# KiCad board SimulTypeUltraFullMag.kicad_pcb (continued)
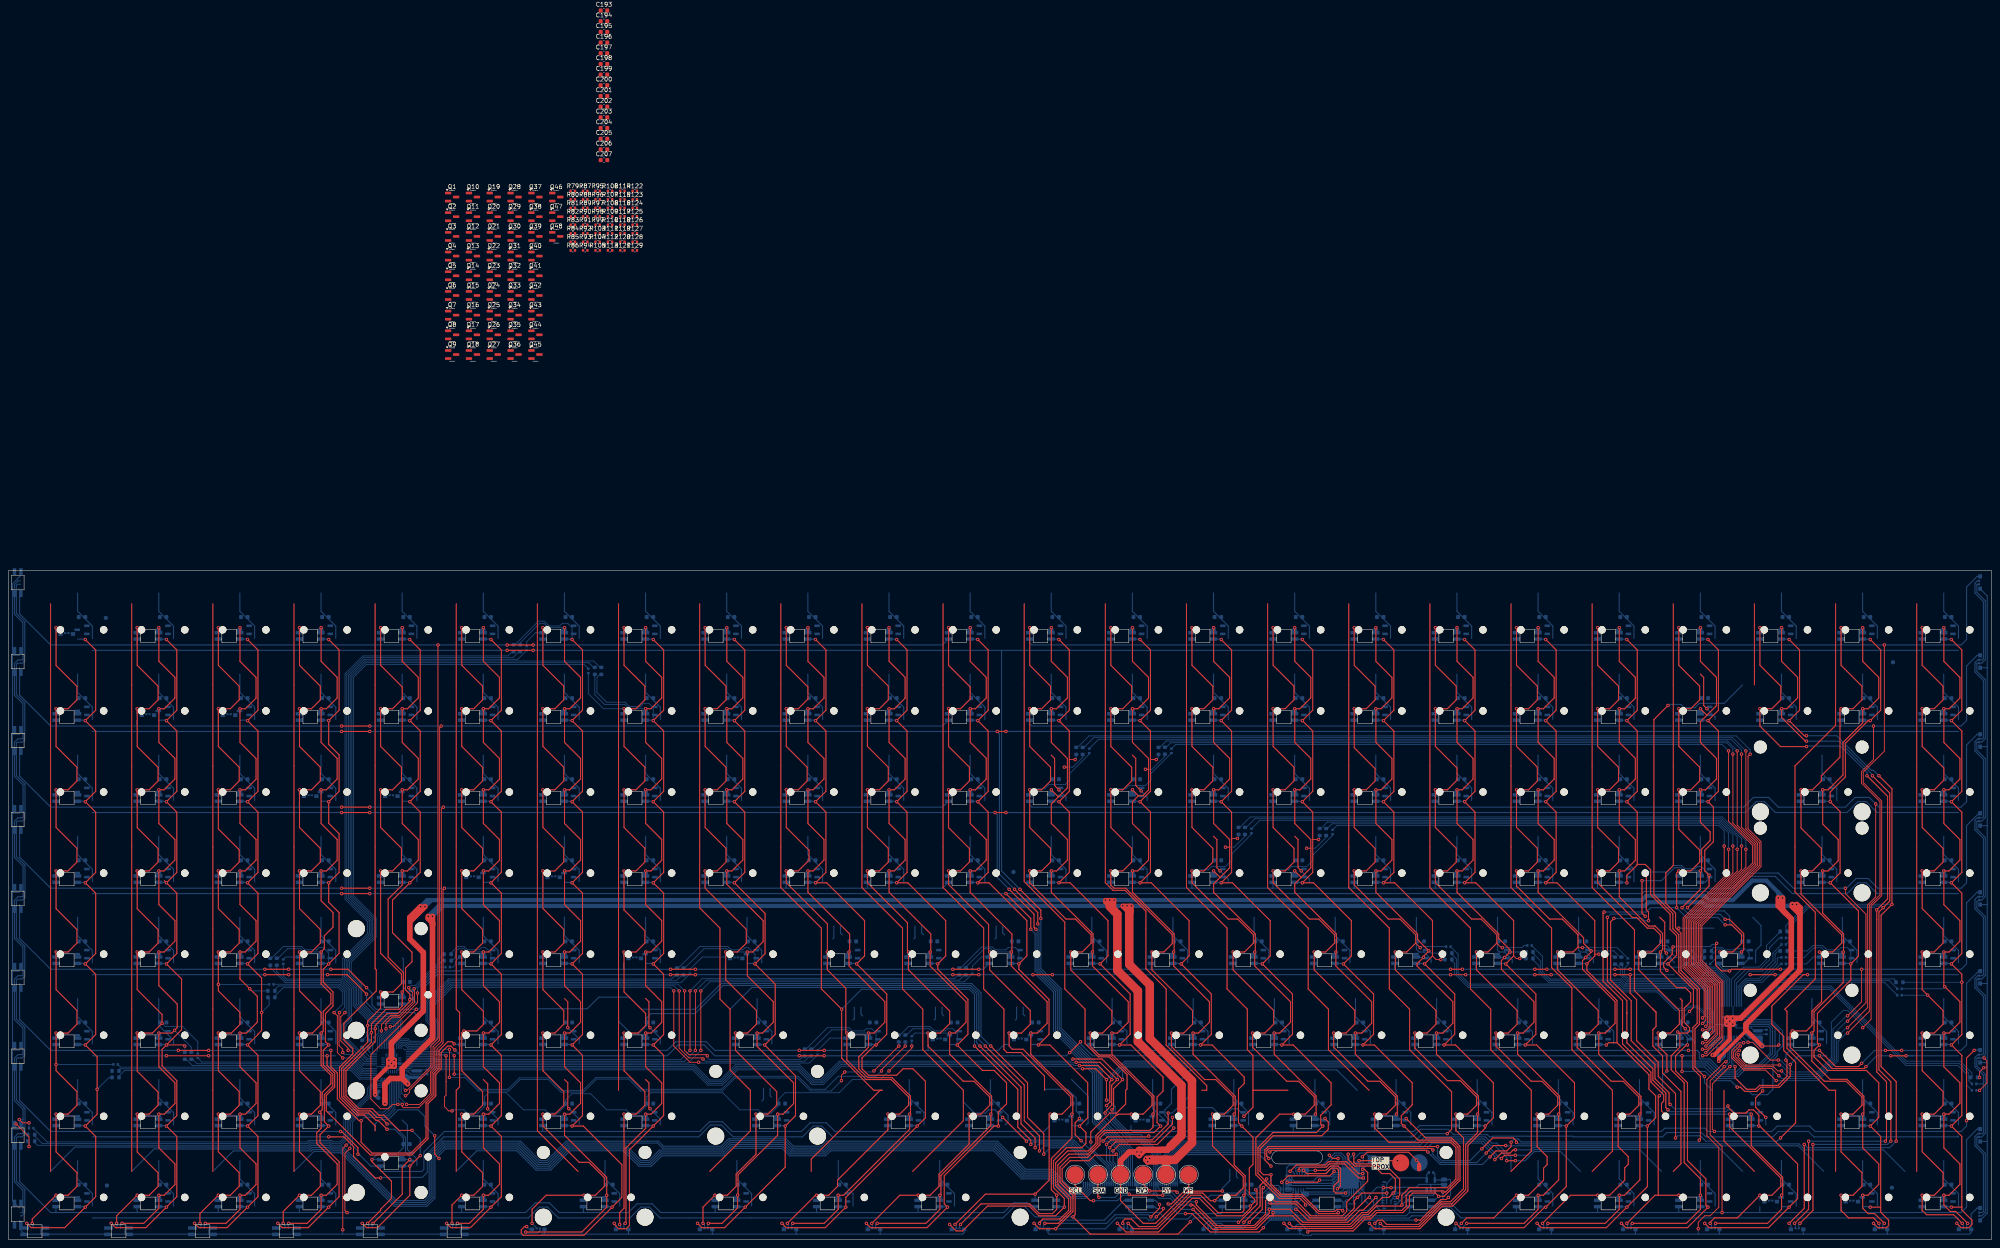
[diagram p0: board, top side]
## Routing (per net, layer and track width the routed paths; a pad name or vN(x,y) marks a point on that pad's centre or on a via; arc(x,y) is an arc through that point) (continued)
  Top w1: v1(259.58,79.74) 259.58,79.23 258.56,78.21 ; v1(259.58,79.74) v1(257.54,79.74) 257.54,79.23 258.56,78.21 ; v1(259.58,79.74) 259.58,77.2 ; v1(404.1,51.29) 404.1,46.97 400.47,43.34 v1(400.09,43.34) ; 258.56,78.21 v1(258.56,79.74) ; v1(89.9,41.38) 86.06,37.54 86.06,34.04 v1(86.08,34.02)
  Top w1.3: v1(89.3,42.1) 90.53,42.1 v1(90.56,42.07) v1(90.56,40.76) v1(89.27,40.76) 89.27,42.08 v1(89.3,42.1) ; v1(89.3,42.1) 89.9,41.5 v1(89.9,41.38) 89.9,46.21 97.4,53.7 97.4,67.42 94.22,70.59 94.22,74.66 ; TP6.1 261.1,18.52 263.13,20.55 264.4,20.55 ; v1(96.76,78.21) 94.22,75.67 94.22,74.66 ; v1(97.78,78.21) 94.22,74.66 ; v1(416.55,80.24) 416.55,77.36 417.26,76.64 ; 417.26,76.64 415.53,78.38 v1(415.53,80.24) ; 417.26,76.64 418.58,75.33 418.58,63.86 406.69,51.98 v1(404.83,51.98) ; 267.45,21.06 270.75,21.06 ; 267.45,21.06 266.43,21.06 v1(265.93,20.55) 264.4,20.55 ; 267.45,21.06 266.81,21.06 v1(265.46,19.71) 264.62,20.55 264.4,20.55 ; v1(404.83,51.98) 404.83,50.62 v1(404.82,50.61) 403.46,50.61 403.46,51.98 v1(404.83,51.98)
  Top w1.5: v1(264.94,20.57) 265.43,21.06 272.02,21.06 ; 270.75,21.06 272.02,21.06 ; 272.02,21.06 272.78,21.82
  Top w2: 258.56,78.21 260.34,76.43 260.34,63.23 265.16,58.4 265.16,46.46 275.4,36.23 275.4,24.44 272.78,21.82
  Bottom w0.2: 96.76,39.62 97,39.86 98.29,39.86 ; v1(89.9,41.38) 91.5,39.78 94.82,39.78 94.98,39.62 ; v1(89.9,41.38) 90.7,42.18 90.7,44.83 ; v1(89.9,41.38) 89.1,40.58 86.45,40.58 ; v1(89.9,41.38) 93.35,41.38 ; 409.94,49.02 409.27,49.69 405.7,49.69 v1(404.1,51.29) ; 400.65,50.49 403.3,50.49 v1(404.1,51.29) ; 404.9,54.74 404.9,52.09 v1(404.1,51.29) ; R50.2 415.53,66.27 415.28,66.02 415.28,64.76 411.35,60.83 408.01,60.83 406.5,59.32 406.5,54.74 ; 400.17,43.41 v1(400.09,43.34) ; 412.74,49.26 411.71,49.26 411.47,49.02
  Bottom w0.25: 334,12.94 336.92,12.94 337.05,12.81 ; 334,12.94 333.93,12.87 U3.2 ; 334,12.94 331.2,12.94 330.54,12.27 326.89,12.27 326.79,12.17 v1(324.6,12.17) ; 193.78,73.64 193.78,70.87 193.52,70.61 ; 286.74,16.49 286.74,13.81 284.98,12.05 v1(284.98,11.41) 285.48,10.9 288.53,10.9 289.29,11.66 290.56,11.66 291.33,10.9 294.63,10.9 296.42,12.69 298.17,12.69 298.69,12.17 298.69,8.62 U1.EP 299.47,7.83 299.47,7.11 302.23,7.11 v1(302.26,7.08) ; 217.33,51.56 217.64,51.87 217.64,54.59 ; 257.81,65.01 257.81,67.79 254.35,71.25 254.35,75.69 ; 236.38,51.56 236.69,51.87 236.69,54.59 ; 177.27,35.54 177.27,32.93 176.85,32.51 ; U2.EP 315.3,13.71 315.3,9.91 314.77,9.38 314.19,9.38 313.79,8.98 313.79,7.73 314.69,6.83 319.27,6.83 320.54,8.1 320.54,8.87 v1(319.52,9.89) 319.52,10.5 321.29,12.27 322.72,12.27 v1(322.82,12.17) 322.59,11.94 322.59,8.39 ; 231.62,70.61 231.88,70.87 231.88,73.64 ; 198.59,54.59 198.59,51.87 198.28,51.56 ; 264.91,14.71 264.39,14.19 J1.25 J1.26 J1.27 265.39,14.23 264.91,14.71 ; 264.91,14.71 264.89,14.69 ; 212.57,70.61 212.83,70.87 212.83,73.64
  Bottom w0.8: 94.98,39.62 96.76,39.62 ; 401.29,44.94 401.29,43.41 400.17,43.41 ; 409.94,49.02 411.47,49.02
  Bottom w1: 99.3,79.74 v1(97.78,78.21) v1(96.76,78.21) 98.29,79.74 99.3,79.74 ; 99.3,79.74 383.53,79.74 384.54,80.75 398.26,80.75 399.28,79.74 404.86,79.74 409.44,84.31 412.74,84.31 415.53,81.51 ; 86.84,34.78 v1(86.08,34.02) 86.84,33.25 ; 415.53,81.51 416.55,80.5 v1(416.55,80.24) v1(415.53,80.24) 415.53,81.51
  Bottom w1.2: J1.26 264.89,14.69
  vias: v1(403.44,51.96) v1(403.45,50.62)
(no net): length 149.8
  Top w0.25: 301.97,94.74 302.76,93.96 302.76,87.36 v1(303.52,86.59) ; v1(393.69,49.51) 392.93,50.27 392.93,56.18 392.46,56.64 ; v1(284.47,86.59) 283.71,87.36 283.71,93.96 282.92,94.74 ; v1(412.59,28.68) 410.2,31.08 410.2,33.25 v1(411.85,34.91) ; v1(398.77,124.69) 398.01,125.46 398.01,132.06 397.22,132.84
  Bottom w0.25: 92.42,66.17 92.7,65.89 92.7,59.29 94.95,57.05 94.95,56.42 95.88,55.49 ; v1(393.69,49.51) 393.69,48.75 395.92,46.51 395.92,45.96 ; 387.7,75.69 388.86,74.53 ; v1(411.85,34.91) 411.91,34.97 411.91,37.59 411.93,37.57 ; 330.55,75.69 330.55,68.2 331.2,67.54 332.29,67.54 334.01,65.82 334.01,65.01 ; 353.06,65.01 353.06,65.75 351.27,67.54 350,67.54 349.6,67.94 349.6,75.69 ; v1(412.59,28.68) 412.59,26.91 ; 319.27,8.38 318.5,9.14 318.5,10.9 317.49,11.92 317.49,13.44 317.22,13.71 316.49,13.71 ; 317.74,8.38 317.74,10.39 316.49,11.65 316.49,13.21 ; 409.53,75.69 411.47,73.75 411.47,69.18 410.21,67.92 410.21,65.01 ; 305.43,84.06 305.43,84.68 v1(303.52,86.59) ; v1(284.47,86.59) 286.38,84.68 286.38,84.06 ; 368.65,75.69 368.65,67.94 369.05,67.54 370.32,67.54 372.11,65.75 372.11,65.01 ; 249.59,37.59 253.48,33.7 253.48,27.34 253.05,26.91 ; 400.68,122.16 400.68,122.78 v1(398.77,124.69)
/AC1: length 5
  Bottom w0.25: 300.46,8.11 301.19,8.11 301.98,8.9 301.98,9.38 302.23,9.63 302.23,11.99
/AC2: length 6.7
  Bottom w0.25: 302.83,11.99 302.83,10.08 303.53,9.38 301.76,7.61 300.46,7.61
/B1c: length 171.4
  Top w0.2: v1(4.81,27.41) 3.29,27.41 v1(2.53,28.17)
  Bottom w0.2: v1(2.53,28.17) 3.41,28.17 ; 4.81,26.14 4.81,27.41 v1(4.81,27.41)
  Bottom w0.25: 2.82,6.33 3.23,6.33 3.37,6.47 3.37,11.59 1.39,13.57 1.39,24.05 2.22,24.88 3.29,24.88 3.41,25.01 3.41,30.59 1.39,32.62 1.39,42.6 2.22,43.43 3.29,43.43 3.37,43.51 3.37,49.69 1.39,51.67 1.39,61.15 2.22,61.98 3.29,61.98 3.37,62.05 3.37,68.74 1.39,70.72 1.39,79.69 2.22,80.53 3.29,80.53 3.41,80.65 3.41,87.74 1.39,89.77 1.39,98.28 2.18,99.08 3.29,99.08 3.41,99.2 3.41,106.79 1.39,108.82 1.39,116.79 2.22,117.62 3.29,117.62 3.37,117.7 3.37,125.89 1.39,127.87 1.39,135.34 2.22,136.17 3.29,136.17 3.37,136.25 3.37,144.94 1.38,146.92 1.38,153.89 2.22,154.72 2.82,154.72
/B2c: length 206.5
  Top w0.25: v1(11.16,143.75) 11.16,134.85 16.06,129.96 16.06,126.78 13.98,124.69 v1(11.16,124.69) 11.16,115.85 16.06,110.95 16.06,107.73 13.98,105.64 v1(11.16,105.64) 11.16,96.8 16.06,91.9 16.06,88.68 13.98,86.59 v1(11.16,86.59) 11.16,77.7 16.06,72.81 16.06,69.63 13.98,67.54 v1(11.16,67.54) 11.16,58.7 16.06,53.8 16.06,50.58 13.98,48.49 v1(11.16,48.49) v1(11.16,41.13) 11.16,39.65 16.06,34.75 16.06,31.53 13.98,29.44 v1(11.16,29.44) 11.16,20.6 16.06,15.7 16.06,12.48 13.98,10.39 v1(11.16,10.39) 5.58,4.81 v1(5.58,3.79)
  Bottom w0.2: 24.62,41.13 v1(11.16,41.13)
  Bottom w0.25: 11.13,66.36 11.13,67.52 v1(11.16,67.54) ; 11.13,47.31 11.13,48.47 v1(11.16,48.49) ; 11.13,142.56 11.13,143.72 v1(11.16,143.75) ; v1(11.16,86.59) 11.13,86.57 11.13,85.41 ; v1(11.16,10.39) 11.13,10.37 11.13,9.21 ; 11.13,28.26 11.13,29.42 v1(11.16,29.44) ; 11.13,123.51 11.13,124.67 v1(11.16,124.69) ; v1(11.16,105.64) 11.13,105.62 11.13,104.46 ; 5.77,2.6 5.77,3.6 v1(5.58,3.79)
/B3c: length 206.8
  Top w0.25: v1(25.39,3.79) 25.39,5.57 v1(30.21,10.39) 33.03,10.39 35.11,12.48 35.11,15.66 30.21,20.55 v1(30.21,29.44) 33.03,29.44 35.11,31.53 35.11,34.63 30.21,39.53 v1(30.21,48.49) 33.77,48.49 v1(36.06,50.78) 36.06,52.86 30.21,58.7 v1(30.21,67.54) 33.03,67.54 35.11,69.63 35.11,72.81 30.21,77.7 v1(30.21,86.59) 33.03,86.59 35.11,88.68 35.11,91.86 30.21,96.75 v1(30.21,105.64) 33.03,105.64 35.11,107.73 35.11,110.91 30.21,115.8 v1(30.21,124.69) 33.03,124.69 35.11,126.78 35.11,130 30.21,134.9 v1(30.21,143.75)
  Bottom w0.2: 44.44,43.67 44.44,46.46 40.88,50.02 36.82,50.02 v1(36.06,50.78)
  Bottom w0.25: 30.18,123.51 30.18,124.67 v1(30.21,124.69) ; 30.18,28.26 30.18,29.42 v1(30.21,29.44) ; v1(30.21,86.59) 30.18,86.57 30.18,85.41 ; 25.47,2.6 25.47,3.7 v1(25.39,3.79) ; v1(30.21,10.39) 30.18,10.37 30.18,9.21 ; v1(30.21,105.64) 30.18,105.62 30.18,104.46 ; v1(30.21,67.54) 30.18,67.52 30.18,66.36 ; 30.18,142.56 30.18,143.72 v1(30.21,143.75) ; 30.18,47.31 30.18,48.47 v1(30.21,48.49)
/B4c: length 204.7
  Top w0.25: v1(44.95,3.79) 44.95,6.08 v1(49.26,10.39) 52.08,10.39 54.16,12.48 54.16,15.7 49.26,20.6 v1(49.26,29.44) 52.08,29.44 54.16,31.53 54.16,34.75 49.26,39.65 v1(49.26,48.49) 52.31,48.49 54.34,50.53 54.34,53.34 49.26,58.42 v1(49.26,59.92) v1(49.26,67.54) 52.08,67.54 54.16,69.63 54.16,72.85 49.26,77.75 v1(49.26,86.59) 52.08,86.59 54.16,88.68 54.16,91.57 49.26,96.47 v1(49.26,105.64) 52.08,105.64 54.16,107.73 54.16,110.95 49.26,115.85 v1(49.26,124.69) 52.08,124.69 54.16,126.78 54.16,130 49.26,134.9 v1(49.26,143.75)
  Bottom w0.2: 61.2,59.92 v1(49.26,59.92)
  Bottom w0.25: v1(49.26,124.69) 49.23,124.67 49.23,123.51 ; 49.23,104.46 49.23,105.62 v1(49.26,105.64) ; 49.23,28.26 49.23,29.42 v1(49.26,29.44) ; 45.18,2.6 45.18,3.56 v1(44.95,3.79) ; 49.23,9.21 49.23,10.37 v1(49.26,10.39) ; v1(49.26,143.75) 49.23,143.72 49.23,142.56 ; 49.23,66.36 49.23,67.52 v1(49.26,67.54) ; 49.23,47.31 49.23,48.47 v1(49.26,48.49) ; v1(49.26,86.59) 49.23,86.57 49.23,85.41
/B5c: length 196.7
  Top w0.25: v1(68.31,143.75) 68.31,134.9 73.21,130 73.21,126.78 71.13,124.69 v1(68.31,124.69) 68.31,115.85 73.21,110.95 73.21,107.73 71.13,105.64 v1(68.31,105.64) 68.31,96.8 73.21,91.9 73.21,88.68 71.13,86.59 v1(68.31,86.59) 68.31,77.75 73.21,72.85 73.21,69.63 71.13,67.54 v1(68.31,67.54) 68.31,58.42 73.39,53.34 73.39,50.52 71.37,48.49 v1(68.31,48.49) 68.31,39.65 73.21,34.75 73.21,31.53 71.13,29.44 v1(68.31,29.44) 68.31,20.6 73.21,15.7 73.21,12.48 71.13,10.39 v1(68.31,10.39) 64.5,6.58 v1(64.5,3.79)
  Bottom w0.2: 68.28,66.36 65.09,66.36 64.5,65.77
  Bottom w0.25: 68.28,28.26 68.28,29.42 v1(68.31,29.44) ; 64.88,2.6 64.88,3.41 v1(64.5,3.79) ; 68.28,104.46 68.28,105.62 v1(68.31,105.64) ; 68.28,142.56 68.28,143.72 v1(68.31,143.75) ; v1(68.31,48.49) 68.28,48.47 68.28,47.31 ; v1(68.31,10.39) 68.28,10.37 68.28,9.21 ; v1(68.31,124.69) 68.28,124.67 68.28,123.51 ; 68.28,85.41 68.28,86.57 v1(68.31,86.59) ; v1(68.31,67.54) 68.28,67.52 68.28,66.36
/B6c: length 200.6
  Top w0.25: v1(88.89,25.89) 86.77,28.01 86.26,28.01 84.57,29.7 82.03,29.7 78.22,33.51 78.22,40.24 84.32,46.34 v1(84.32,50.27) 84.32,51.29 87.36,54.34 v1(87.36,58.15) 90.3,58.15 92.26,60.1 92.26,62.35 87.36,67.25 v1(87.36,86.59) 90.18,86.59 92.26,88.68 92.26,91.9 87.36,96.8 v1(87.36,105.64) 90.18,105.64 92.26,107.73 92.26,110.95 87.36,115.85 v1(87.36,124.69) 90.18,124.69 92.44,126.96 92.44,129.82 87.36,134.9 v1(87.36,143.75) ; v1(85.33,18.78) 85.33,18.27 89.9,13.7 89.9,9.63 87.36,7.09 87.36,6.84 v1(84.32,3.79)
  Bottom w0.2: v1(84.32,50.27) 86.6,50.27 86.86,50.02 86.86,48.5 85.84,47.48
  Bottom w0.25: 84.59,2.6 84.59,3.52 v1(84.32,3.79) ; v1(87.36,105.64) 87.33,105.62 87.33,104.46 ; 87.33,123.51 87.33,124.67 v1(87.36,124.69) ; 87.33,85.41 87.33,86.57 v1(87.36,86.59) ; v1(87.36,58.15) 87.33,58.12 87.33,56.84 ; v1(87.36,143.75) 87.33,143.72 87.33,142.56 ; v1(88.89,25.89) 90.67,25.89 92.7,23.86 92.7,21.57 91.17,20.05 86.6,20.05 v1(85.33,18.78) 87.29,18.78 87.33,18.74
/B7c: length 196.9
  Top w0.25: v1(106.41,143.75) 106.41,134.9 111.31,130 111.31,126.78 109.23,124.69 v1(106.41,124.69) 106.41,115.85 111.31,110.95 111.31,107.73 109.23,105.64 v1(106.41,105.64) 106.41,96.8 111.31,91.9 111.31,88.68 109.23,86.59 v1(106.41,86.59) 106.41,77.75 111.31,72.85 111.31,69.63 109.23,67.54 v1(106.41,67.54) 106.41,58.7 111.49,53.62 111.49,50.52 109.98,49 v1(106.92,49) 106.41,48.49 106.41,39.65 111.31,34.75 111.31,31.53 109.23,29.44 v1(106.41,29.44) 106.41,20.6 111.31,15.7 111.31,12.48 109.23,10.39 v1(106.41,10.39) 104.13,8.11 v1(104.13,3.79)
  Bottom w0.2: 106.38,66.36 105.94,66.36 104.89,65.31 104.89,64.5 104.38,63.99 103.62,63.99
  Bottom w0.25: v1(106.41,67.54) 106.38,67.52 106.38,66.36 ; v1(106.92,49) 106.38,48.47 106.38,47.31 ; v1(106.41,124.69) 106.38,124.67 106.38,123.51 ; 106.38,142.56 106.38,143.72 v1(106.41,143.75) ; v1(106.41,10.39) 106.38,10.37 106.38,9.21 ; v1(104.13,3.79) 104.29,3.63 104.29,2.6 ; 106.38,28.26 106.38,29.42 v1(106.41,29.44) ; 106.38,104.46 106.38,105.62 v1(106.41,105.64) ; v1(106.41,86.59) 106.38,86.57 106.38,85.41
/B8c: length 212.2
  Top w0.25: v1(122.92,3.79) 122.92,7.09 126.23,10.39 v1(135.12,10.39) 137.8,10.39 139.88,12.48 139.88,14.52 136.27,18.13 133.99,18.13 125.46,26.66 v1(125.46,29.44) 128.28,29.44 130.36,31.53 130.36,34.75 125.46,39.65 v1(125.46,48.49) 128.28,48.49 130.36,50.58 130.36,53.8 125.46,58.7 v1(125.46,67.54) 128.28,67.54 130.36,69.63 130.36,72.85 125.46,77.75 v1(125.46,86.59) 128.28,86.59 130.36,88.68 130.36,91.9 125.46,96.8 v1(125.46,105.64) 128.28,105.64 130.36,107.73 130.36,110.95 125.46,115.85 v1(125.46,124.69) 128.28,124.69 130.36,126.78 130.36,130 125.46,134.9 v1(125.46,143.75)
  Bottom w0.2: 125.43,142.56 123.77,142.56 121.65,140.44 121.65,139.43
  Bottom w0.25: 134.96,9.21 134.96,10.24 v1(135.12,10.39) ; v1(125.46,29.44) 125.43,29.42 125.43,28.26 ; 123.99,2.6 123.99,2.72 v1(122.92,3.79) ; 125.43,66.36 125.43,67.52 v1(125.46,67.54) ; 125.43,47.31 125.43,48.47 v1(125.46,48.49) ; v1(125.46,105.64) 125.43,105.62 125.43,104.46 ; 125.43,123.51 125.43,124.67 v1(125.46,124.69) ; 125.43,142.56 125.43,143.72 v1(125.46,143.75) ; 125.43,85.41 125.43,86.57 v1(125.46,86.59)
/B9c: length 199.4
  Top w0.25: v1(143.5,3.54) 143.5,6.33 144.51,7.35 v1(144.51,29.44) 147.33,29.44 149.41,31.53 149.41,34.75 144.51,39.65 v1(144.51,48.49) 147.82,48.49 149.59,50.27 149.59,53.09 144.51,58.17 v1(144.51,67.54) 147.33,67.54 149.41,69.63 149.41,72.52 144.51,77.42 v1(144.51,86.59) 147.33,86.59 149.41,88.68 149.41,91.9 144.51,96.8 v1(144.51,105.64) 147.33,105.64 149.41,107.73 149.41,110.95 144.51,115.85 v1(144.51,124.69) 147.33,124.69 149.41,126.78 149.41,130 144.51,134.9 v1(144.51,143.75)
  Bottom w0.2: 136.13,133.08 136.13,128.25 139.69,124.69 v1(144.51,124.69)
  Bottom w0.25: v1(143.5,3.54) 143.7,3.34 143.7,2.6 ; 144.48,66.36 144.48,67.52 v1(144.51,67.54) ; v1(144.51,86.59) 144.48,86.57 144.48,85.41 ; v1(144.51,29.44) 144.48,29.42 144.48,28.26 ; 144.48,142.56 144.48,143.72 v1(144.51,143.75) ; 144.48,47.31 144.48,48.47 v1(144.51,48.49) ; v1(144.51,124.69) 144.48,124.67 144.48,123.51 ; v1(144.51,105.64) 144.48,105.62 144.48,104.46
/B10c: length 206.3
  Top w0.25: v1(163.06,3.79) 163.06,7.6 v1(165.85,10.39) 168.76,10.39 170.84,12.48 170.84,15.37 175.5,20.03 v1(175.5,29.44) 178.28,29.44 180.37,31.53 180.37,34.74 170.68,44.43 v1(170.68,48.49) 173.52,48.49 175.6,50.58 175.6,53.8 168.39,61.02 v1(168.39,67.54) 171.14,67.54 173.22,69.63 173.22,72.85 163.56,82.51 v1(163.56,86.59) 166.38,86.59 168.46,88.68 168.46,91.9 163.56,96.8 v1(163.56,105.64) 166.38,105.64 168.46,107.73 168.46,110.95 163.56,115.85 v1(163.56,124.69) 166.38,124.69 168.46,126.78 168.46,130 163.56,134.9 v1(163.56,143.75)
  Bottom w0.2: 168.3,66.36 162.89,66.36 160.01,63.48
  Bottom w0.25: v1(168.39,67.54) 168.3,67.45 168.3,66.36 ; v1(165.85,10.39) 165.92,10.33 165.92,9.21 ; v1(175.5,29.44) 175.44,29.38 175.44,28.26 ; 163.53,142.56 163.53,143.72 v1(163.56,143.75) ; 163.53,85.41 163.53,86.57 v1(163.56,86.59) ; v1(170.68,48.49) 170.68,48.49 170.68,47.31 ; v1(163.06,3.79) 163.4,3.44 163.4,2.6 ; 163.53,123.51 163.53,124.67 v1(163.56,124.69) ; 163.53,104.46 163.53,105.62 v1(163.56,105.64)
/B11c: length 207.1
  Top w0.25: v1(182.61,143.75) 182.61,134.9 187.69,129.82 187.69,126.96 185.43,124.69 v1(182.61,124.69) 182.61,115.85 187.51,110.95 187.51,107.73 185.43,105.64 v1(182.61,105.64) 182.61,96.8 187.95,91.46 187.95,89.12 185.43,86.59 v1(182.61,86.59) 182.61,83.81 192.27,74.15 v1(192.27,67.54) 192.27,63.33 196.58,59.02 196.58,48.75 v1(196.84,48.49) 196.84,42.14 201.41,37.57 207.24,37.57 211.32,33.5 211.32,31.53 209.24,29.44 v1(206.49,29.44) 206.49,25.79 194.65,13.95 194.65,12.48 192.57,10.39 v1(189.73,10.39) 189.47,10.39 v1(182.87,3.79)
  Bottom w0.2: 189.98,44.43 192.86,47.31 196.87,47.31
  Bottom w0.25: v1(192.27,67.54) 192.11,67.39 192.11,66.36 ; v1(196.84,48.49) 196.87,48.46 196.87,47.31 ; 206.4,28.26 206.4,29.35 v1(206.49,29.44) ; v1(189.73,10.39) 189.73,10.39 189.73,9.21 ; v1(182.61,143.75) 182.58,143.72 182.58,142.56 ; 182.58,123.51 182.58,124.67 v1(182.61,124.69) ; v1(182.87,3.79) 183.11,3.55 183.11,2.6 ; 182.58,85.41 182.58,86.57 v1(182.61,86.59) ; 182.58,104.46 182.58,105.62 v1(182.61,105.64)
/B12c: length 208.6
  Top w0.25: v1(201.66,143.75) 201.66,134.9 206.56,130 206.56,126.78 204.48,124.69 v1(201.66,124.69) 201.66,115.85 206.56,110.95 206.56,107.73 204.48,105.64 v1(201.66,105.64) 201.66,96.8 206.56,91.9 206.56,88.68 204.48,86.59 v1(201.66,86.59) 201.66,83.81 211.06,74.41 211.06,67.8 v1(211.32,67.54) 211.32,63.33 220.97,53.68 220.97,50.7 218.76,48.49 v1(215.89,48.49) 215.89,45.45 224.16,37.18 226.69,37.18 230.37,33.5 230.37,31.53 228.29,29.44 v1(225.54,29.44) 225.54,22.45 218.47,15.37 218.47,12.48 216.38,10.39 v1(213.6,10.39) 209.28,10.39 v1(202.68,3.79)
  Bottom w0.2: v1(215.89,48.49) 212.84,48.49 212.08,47.73
  Bottom w0.25: 201.63,104.46 201.63,105.62 v1(201.66,105.64) ; v1(213.6,10.39) 213.54,10.33 213.54,9.21 ; v1(215.89,48.49) 215.92,48.46 215.92,47.31 ; 201.63,123.51 201.63,124.67 v1(201.66,124.69) ; 225.45,28.26 225.45,29.35 v1(225.54,29.44) ; 201.63,142.56 201.63,143.72 v1(201.66,143.75) ; 211.16,66.36 211.16,67.39 v1(211.32,67.54) ; 201.63,85.41 201.63,86.57 v1(201.66,86.59) ; 202.81,2.6 202.81,3.66 v1(202.68,3.79)
/B13c: length 212.9
  Top w0.25: v1(220.71,143.75) 220.71,134.9 225.79,129.82 225.79,126.96 223.53,124.69 v1(220.71,124.69) 220.71,115.85 225.61,110.95 225.61,107.73 223.53,105.64 v1(220.71,105.64) 220.71,96.75 225.61,91.86 225.61,88.68 223.53,86.59 v1(220.71,86.59) 220.71,83.4 230.11,74.01 230.11,67.8 v1(230.37,67.54) 230.37,63.33 239.9,53.8 239.9,50.58 237.81,48.49 v1(234.94,48.49) 234.94,45.45 235.7,44.69 238.23,44.69 249.42,33.5 249.42,31.53 247.34,29.44 v1(244.59,29.44) 244.34,29.19 244.34,13.95 v1(241.03,10.65) 229.35,10.65 v1(222.24,3.54)
  Bottom w0.2: 230.21,66.36 228.42,66.36 226.3,64.24 226.3,63.48
  Bottom w0.25: 220.68,142.56 220.68,143.72 v1(220.71,143.75) ; v1(220.71,124.69) 220.68,124.67 220.68,123.51 ; v1(230.37,67.54) 230.21,67.39 230.21,66.36 ; 240.98,9.21 241.03,9.27 v1(241.03,10.65) ; 220.68,85.41 220.68,86.57 v1(220.71,86.59) ; 222.52,2.6 222.52,3.26 v1(222.24,3.54) ; v1(234.94,48.49) 234.97,48.46 234.97,47.31 ; v1(244.59,29.44) 244.5,29.35 244.5,28.26 ; v1(220.71,105.64) 220.68,105.62 220.68,104.46
/B14c: length 256.9
  Top w0.25: v1(239.76,143.75) 239.76,134.9 244.66,130 244.66,126.78 242.58,124.69 v1(239.76,124.69) 239.76,115.85 244.66,110.95 244.66,107.73 242.58,105.64 v1(239.76,105.64) 239.76,96.8 244.66,91.9 244.66,88.68 242.58,86.59 v1(239.76,86.59) 239.76,83.81 248.29,75.28 250.5,75.28 254.18,71.6 254.18,69.63 252.1,67.54 v1(249.42,67.54) 249.42,63.33 259.07,53.68 259.07,50.7 256.86,48.49 v1(253.99,48.49) 253.99,45.45 256.08,43.35 258.62,43.35 268.47,33.5 268.47,31.53 266.39,29.44 v1(263.64,29.44) 260.54,29.44 260.34,29.25 260.14,29.25 255.32,24.42 255.32,22.59 253.54,20.81 248.65,20.81 245.86,18.01 245.86,12.68 248.91,9.63 248.91,6.84 246.88,4.81 242.81,4.81 242.05,4.04 v1(242.05,3.79)
  Bottom w0.2: v1(239.76,105.64) 240.02,105.9 243.32,105.9 244.34,106.91 248.15,106.91 249.16,107.93 249.16,109.45 253.73,114.03 253.73,114.28
  Bottom w0.25: 262.98,9.21 261.95,9.21 257.29,4.55 242.81,4.55 v1(242.05,3.79) 242.22,3.62 242.22,2.6 ; v1(239.76,105.64) 239.73,105.62 239.73,104.46 ; 263.55,28.26 263.55,29.35 v1(263.64,29.44) ; v1(239.76,124.69) 239.73,124.67 239.73,123.51 ; v1(253.99,48.49) 254.02,48.46 254.02,47.31 ; 249.26,66.36 249.26,67.39 v1(249.42,67.54) ; v1(239.76,143.75) 239.73,143.72 239.73,142.56 ; 239.73,85.41 239.73,86.57 v1(239.76,86.59)
/B15c: length 247
  Top w0.25: v1(261.61,3.79) 261.61,4.3 262.12,4.81 263.64,4.81 265.42,3.03 269.48,3.03 277.36,10.9 280.4,10.9 282.18,9.12 v1(283.2,9.12) 284.47,10.39 288.18,10.39 289.9,12.12 289.9,14.74 282.69,21.95 v1(282.69,29.44) 285.44,29.44 287.52,31.53 287.52,33.5 283.44,37.57 280.82,37.57 273.04,45.35 v1(273.04,48.49) 275.91,48.49 278,50.58 278,53.8 268.47,63.33 v1(268.47,67.54) 271.26,67.54 273.23,69.52 273.23,71.6 262.3,82.53 259.58,82.53 258.81,83.29 v1(258.81,86.59) 261.63,86.59 263.71,88.68 263.71,91.9 258.81,96.8 v1(258.81,105.64) 261.63,105.64 263.71,107.73 263.71,110.95 258.81,115.85 v1(258.81,124.69) 261.63,124.69 263.71,126.78 263.71,130 258.81,134.9 v1(258.81,143.75)
  Bottom w0.2: v1(258.81,105.64) 259.07,105.9 262.37,105.9 263.13,106.66 266.94,106.66 268.21,107.93 268.21,109.45 273.04,114.28 273.04,114.28
  Bottom w0.25: 282.6,28.26 282.6,29.35 v1(282.69,29.44) ; 258.78,85.41 258.78,86.57 v1(258.81,86.59) ; 258.78,142.56 258.78,143.72 v1(258.81,143.75) ; 261.92,2.6 261.92,3.47 v1(261.61,3.79) ; v1(268.47,67.54) 268.31,67.39 268.31,66.36 ; 284.98,9.21 284.89,9.12 v1(283.2,9.12) ; v1(258.81,124.69) 258.78,124.67 258.78,123.51 ; 273.07,47.31 273.07,48.46 v1(273.04,48.49) ; 258.78,104.46 258.78,105.62 v1(258.81,105.64)
/B16c: length 248.2
  Top w0.25: 295.26,12.81 298.44,9.63 303.26,9.63 304.53,8.37 v1(304.53,8.1) ; 295.26,12.81 292.85,15.22 292.85,23.86 298.44,29.44 v1(301.74,29.44) 304.49,29.44 306.57,31.53 306.57,33.5 302.89,37.18 300.1,37.18 292.09,45.19 v1(292.09,48.49) 294.96,48.49 297.05,50.58 297.05,53.8 287.52,63.33 v1(287.52,67.54) 290.2,67.54 292.28,69.63 292.28,71.6 288.6,75.28 286.39,75.28 277.86,83.81 v1(277.86,86.59) 280.68,86.59 282.76,88.68 282.76,91.9 277.86,96.8 v1(277.86,105.64) 280.68,105.64 282.76,107.73 282.76,110.95 277.86,115.85 v1(277.86,124.69) 280.68,124.69 282.76,126.78 282.76,130 277.86,134.9 v1(277.86,143.75) ; 295.26,12.81 294.63,13.44 293.87,12.68 293.87,7.85 v1(290.06,4.04)
  Bottom w0.2: v1(277.86,86.59) 278.12,86.85 281.67,86.85 282.44,87.61 285.74,87.61 287.26,89.13 287.26,90.66 291.83,95.23 291.83,95.48
  Bottom w0.25: v1(277.86,143.75) 277.83,143.72 277.83,142.56 ; 301.65,28.26 301.65,29.35 v1(301.74,29.44) ; v1(277.86,105.64) 277.83,105.62 277.83,104.46 ; v1(277.86,124.69) 277.83,124.67 277.83,123.51 ; 292.12,47.31 292.12,48.46 v1(292.09,48.49) ; v1(290.06,4.04) 290.06,3.79 289.29,3.03 285.48,3.03 284.72,3.79 282.18,3.79 281.63,3.24 281.63,2.6 ; v1(304.53,8.1) 305.46,8.1 306.57,9.21 306.98,9.21 ; v1(287.52,67.54) 287.36,67.39 287.36,66.36 ; v1(277.86,86.59) 277.83,86.57 277.83,85.41
/B17c: length 268.8
  Top w0.25: v1(296.91,143.75) 296.91,134.9 301.81,130 301.81,126.78 299.73,124.69 v1(296.91,124.69) 296.91,115.85 301.81,110.95 301.81,107.73 299.73,105.64 v1(296.91,105.64) 296.91,96.8 301.81,91.9 301.81,88.68 299.73,86.59 v1(296.91,86.59) 296.91,83.81 305.44,75.28 307.65,75.28 311.33,71.6 311.33,69.63 309.25,67.54 v1(306.57,67.54) 306.57,63.33 316.1,53.8 316.1,50.58 314.01,48.49 v1(311.14,48.49) 311.14,45.19 319.15,37.18 321.94,37.18 325.62,33.5 325.62,31.53 323.54,29.44 v1(320.79,29.44) 320.79,26.14 324.09,22.84 338.57,22.84 339.84,21.57 339.84,14.2 337.81,12.17 328.92,12.17 327.14,10.39 v1(327.14,8.11) 326.89,7.85 321.17,7.85 319.2,5.88 318.05,5.88 315.2,3.03 301.49,3.03 v1(300.72,3.79)
  Bottom w0.2: 310.88,95.23 310.88,94.98 306.31,90.4 306.31,89.13 304.79,87.61 301.23,87.61 300.47,86.85 297.17,86.85 v1(296.91,86.59)
  Bottom w0.25: 311.17,47.31 311.17,48.46 v1(311.14,48.49) ; 296.88,85.41 296.88,86.57 v1(296.91,86.59) ; 320.7,28.26 320.7,29.35 v1(320.79,29.44) ; 328.98,9.21 328.24,9.21 v1(327.14,8.11) ; v1(296.91,124.69) 296.88,124.67 296.88,123.51 ; 301.33,2.6 301.33,3.07 301.12,3.28 301.12,3.39 v1(300.72,3.79) ; 296.88,104.46 296.88,105.62 v1(296.91,105.64) ; 306.41,66.36 306.41,67.39 v1(306.57,67.54) ; v1(296.91,143.75) 296.88,143.72 296.88,142.56
/B18c: length 222.4
  Top w0.2: 330.33,69.58 330.44,69.58 v1(331.46,68.56)
  Top w0.25: v1(320.79,3.79) 321.55,4.55 322.57,4.55 323.59,3.54 331.07,3.54 336.41,8.87 338.57,8.87 341.62,11.92 341.62,23.86 339.84,25.63 v1(339.84,29.44) 342.59,29.44 344.67,31.53 344.67,33.5 340.85,37.32 337.84,37.32 330.19,44.97 v1(330.19,48.49) 333.06,48.49 335.15,50.58 335.15,53.8 325.62,63.33 v1(325.62,67.54) 328.3,67.54 330.38,69.63 330.38,71.6 326.7,75.28 323.98,75.28 315.96,83.29 v1(315.96,86.59) 318.78,86.59 320.86,88.68 320.86,91.86 315.96,96.75 v1(315.96,105.64) 318.78,105.64 320.86,107.73 320.86,110.62 315.96,115.52 v1(315.96,124.69) 318.78,124.69 320.86,126.78 320.86,130 315.96,134.9 v1(315.96,143.75)
  Bottom w0.2: 337.55,68.81 331.71,68.81 v1(331.46,68.56)
  Bottom w0.25: v1(339.84,29.44) 339.75,29.35 339.75,28.26 ; 325.46,66.36 325.46,67.39 v1(325.62,67.54) ; 315.93,85.41 315.93,86.57 v1(315.96,86.59) ; 315.93,104.46 315.93,105.62 v1(315.96,105.64) ; v1(330.19,48.49) 330.22,48.46 330.22,47.31 ; 315.93,142.56 315.93,143.72 v1(315.96,143.75) ; v1(315.96,124.69) 315.93,124.67 315.93,123.51 ; 321.04,2.6 321.04,3.54 v1(320.79,3.79)
/B19c: length 220.3
  Top w0.2: 349.43,69.63 349.43,69.61 350.49,68.56 v1(350.76,68.56)
  Top w0.25: v1(335.01,143.75) 335.01,134.9 339.91,130 339.91,126.78 337.83,124.69 v1(335.01,124.69) 335.01,115.85 340.09,110.77 340.09,107.91 337.83,105.64 v1(335.01,105.64) 335.01,96.8 339.91,91.9 339.91,88.68 337.83,86.59 v1(335.01,86.59) 335.01,83.81 343.54,75.28 345.75,75.28 349.43,71.6 349.43,69.63 347.35,67.54 v1(344.67,67.54) 344.67,63.33 354.2,53.8 354.2,50.58 352.11,48.49 v1(349.24,48.49) 349.24,45.45 357.51,37.18 360.04,37.18 363.72,33.5 363.72,31.53 361.64,29.44 v1(358.89,29.44) 358.89,21.82 361.25,19.46 361.25,17.6 360.41,16.77 360.41,13.93 356.88,10.39 v1(354.06,10.39) 348.73,5.06 342.38,5.06 v1(341.11,3.79)
  Bottom w0.2: 356.6,69.07 355.84,69.07 355.33,68.56 v1(350.76,68.56)
  Bottom w0.25: v1(335.01,124.69) 334.98,124.67 334.98,123.51 ; v1(341.11,3.79) 340.74,3.42 340.74,2.6 ; 349.27,47.31 349.27,48.46 v1(349.24,48.49) ; v1(335.01,86.59) 334.98,86.57 334.98,85.41 ; v1(335.01,143.75) 334.98,143.72 334.98,142.56 ; v1(354.06,10.39) 354.03,10.37 354.03,9.21 ; v1(344.67,67.54) 344.51,67.39 344.51,66.36 ; 334.98,104.46 334.98,105.62 v1(335.01,105.64) ; v1(358.89,29.44) 358.8,29.35 358.8,28.26
